# Altium PCB SJ2088POE.PcbDoc (part 5 of 6)
Units mm, origin at the board's own origin, x right, y up, seen from the top; angles counter-clockwise.
Board outline 108 x 50 mm, 6 copper layers (Top Copper, Signal Layer 1, Signal Layer 2, Signal Layer 3, Signal Layer 4, Bottom Copper), stack 1.597 mm thick; 309 components, 234 nets, 1140 pads, 893 vias.
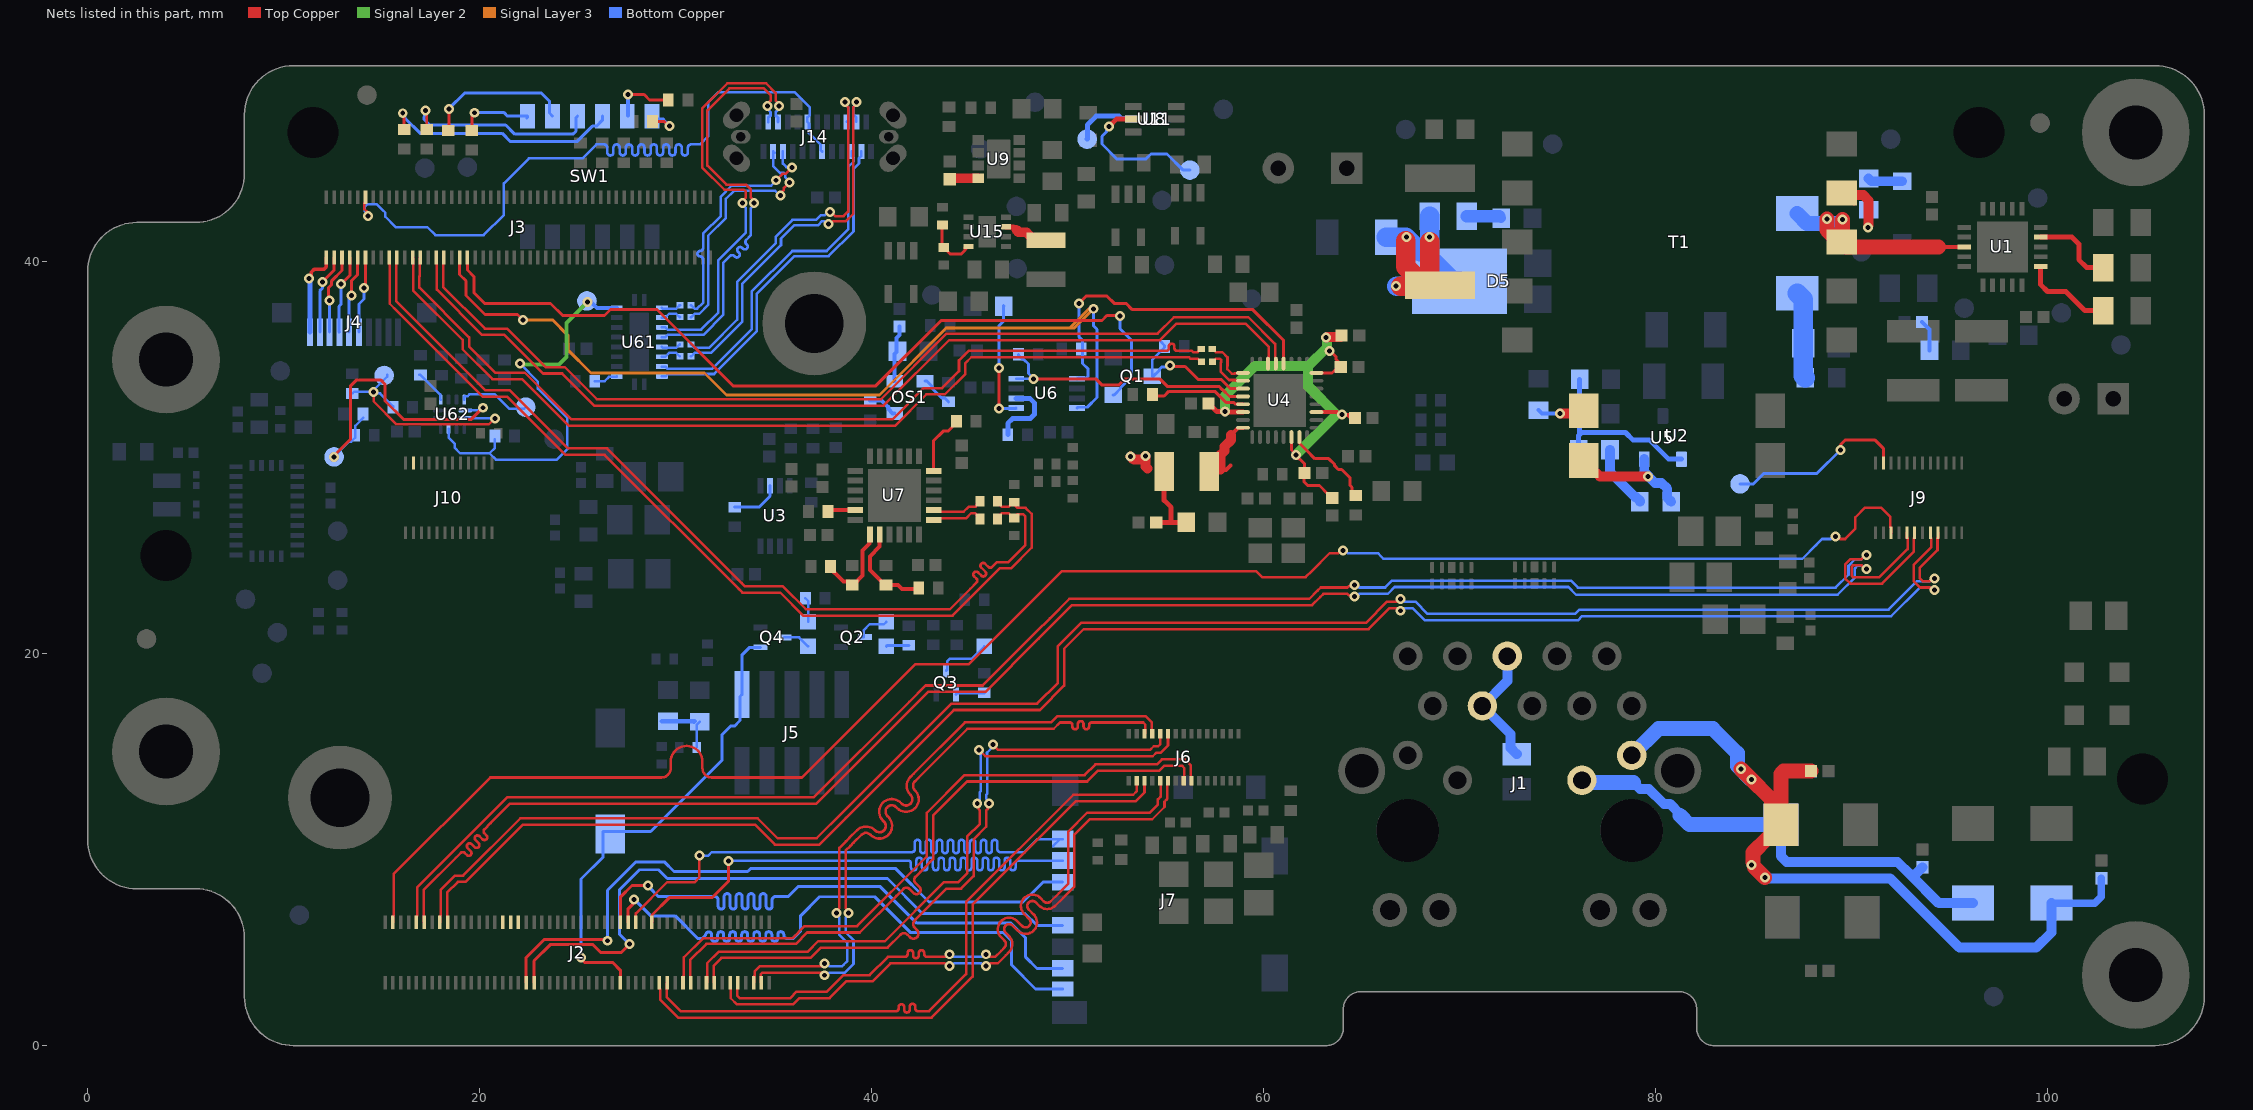
[diagram p9: the nets of this part, all layers, seen from the top]

## Via types
v1: diameter 0.508, hole 0.254, Top Copper to Bottom Copper, tented both sides, 883 vias
v2: diameter 0.406, hole 0.203, Top Copper to Bottom Copper, 10 vias

## Nets (pads, with @x,y where several pads share a name; then routed paths per layer and width w, separated by ;. In a path a pad name is that pad's centre, name@x,y a point inside that pad or via, vN(x,y) a via of type N, cw(c..) or ccw(c..) an arc to the next point about the centre after c; other vN are vias at no path point) (continued)
MIPI_RX3_C_P: J2.98 J9.10 | length 90.8
  Top Copper w0.13: J2.98@15.575,6.29 15.6,6.315 15.6,6.625 15.613,6.638 15.613,8.749 20.543,13.68 29.037,13.68 29.264,13.68 ccw(c29.264,14.164) 29.748,14.164 29.748,14.484 cw(c30.557,14.484) 30.557,15.293 cw(c30.557,14.484) 31.366,14.484 31.366,14.164 ccw(c31.85,14.164) 31.85,13.68 33.763,13.68 36.445,13.68 41.181,18.416 42.216,19.45 44.95,19.45 49.695,24.195 59.63,24.195 59.925,23.9 62.15,23.9 62.475,24.225 63.375,25.125 ; 63.466,25.125 63.375,25.125 ; v1@63.948,25.261 63.812,25.125 63.375,25.125 ; v1(89.175,25.986) 89.277,25.986 89.413,25.85 89.675,25.85 90.2,26.375 90.2,26.959 90.69,27.45 91.51,27.45 91.985,26.974 91.985,26.463 92.023,26.425 J9.10@92.023,26.175
  Bottom Copper w0.13: v1(64.05,25.261) 64.152,25.261 64.288,25.125 65.16,25.125 65.835,25.125 65.979,24.98 66.127,24.832 87.485,24.832 88.192,25.539 88.503,25.85 88.937,25.85 89.073,25.986 v1(89.175,25.986)
MIPI_RX3_D0_N: J2.90 J9.8 | length 90.5
  Top Copper w0.13: J2.90@17.175,6.29 17.15,6.315 17.15,6.625 17.137,6.638 17.137,7.934 18.789,9.585 19.035,9.832 cw(c19.136,9.731) 19.236,9.832 19.34,9.728 ccw(c19.441,9.828) 19.541,9.928 19.389,10.081 cw(c19.49,10.181) 19.59,10.281 19.742,10.129 ccw(c19.843,10.23) 19.943,10.129 ccw(c19.843,10.23) 19.943,10.33 19.791,10.482 cw(c19.891,10.583) 19.992,10.683 20.144,10.531 ccw(c20.244,10.631) 20.345,10.732 20.24,10.836 cw(c20.341,10.936) 20.24,11.037 20.553,11.349 21.554,12.35 37.184,12.35 42.056,17.222 42.885,18.05 45.8,18.05 48.52,20.77 49.228,21.478 50.225,22.475 62.475,22.475 62.89,22.89 63.05,23.05 64.275,23.05 64.339,22.986 64.578,22.986 v1(64.65,22.914) ; v1@90.648,24.364 90.512,24.5 90.301,24.5 90.076,24.5 90,24.424 90,23.976 90.076,23.9 91.425,23.9 92.861,25.336 92.861,25.887 92.823,25.925 J9.8@92.823,26.175
  Bottom Copper w0.13: v1(64.65,22.914) 64.752,22.914 64.888,23.05 65.099,23.05 66.335,23.05 66.685,23.4 75.55,23.4 75.945,23.005 89.286,23.005 90.171,23.89 90.171,24.347 90.316,24.492 90.519,24.492 90.648,24.364 v1@90.75,24.364
  other v1: 90.765,24.324
MIPI_RX3_D0_P: J2.92 J9.7 | length 90.5
  Top Copper w0.13: J2.92@16.775,6.29 16.8,6.315 16.8,6.625 16.813,6.638 16.813,8.068 21.419,12.675 37.05,12.675 41.922,17.547 42.75,18.375 45.666,18.375 48.385,21.095 49.093,21.802 50.091,22.8 62.341,22.8 62.756,23.215 62.915,23.375 63.44,23.375 64.275,23.375 64.339,23.439 64.578,23.439 v1(64.65,23.511) ; v1(90.765,25.023) 90.709,25.023 90.512,24.825 90.166,24.825 89.942,24.825 89.675,24.558 89.675,23.842 89.942,23.575 91.56,23.575 93.185,25.201 93.185,25.887 93.223,25.925 J9.7@93.223,26.175
  Bottom Copper w0.13: v1(64.65,23.511) 64.752,23.511 64.888,23.375 65.234,23.375 66.2,23.375 66.55,23.725 75.685,23.725 76.042,23.368 89.19,23.368 89.846,24.025 89.846,24.482 90.182,24.817 90.504,24.817 90.575,24.889 v1@90.583,24.889
MIPI_RX3_D1_N: J2.84 J9.5 | length 90.6
  Top Copper w0.13: J2.84@18.375,6.29 18.35,6.315 18.35,6.625 18.337,6.638 18.337,7.802 18.886,8.351 19.081,8.351 19.286,8.351 22.209,11.275 34.05,11.275 35.069,10.256 37.331,10.256 38.689,11.614 44.199,17.124 48.584,17.124 49.825,18.365 49.825,20.25 50.825,21.25 65.359,21.25 66.434,22.325 66.85,22.325 66.975,22.2 v1(66.975,22.189) ; J9.5@94.023,26.175 94.023,25.925 94.061,25.887 94.061,25.71 94.061,25.42 93.166,24.526 93.166,23.705 93.496,23.375 93.987,23.375 94.123,23.239 v1(94.225,23.239)
  Bottom Copper w0.13: v1(66.975,22.189) 67.077,22.189 67.213,22.325 67.61,22.325 68.235,21.7 76.033,21.7 76.25,21.917 92.027,21.917 93.484,23.375 93.987,23.375 94.123,23.239 v1(94.225,23.239)
MIPI_RX3_D1_P: J2.86 J9.4 | length 90.6
  Top Copper w0.13: J2.86@17.975,6.29 18,6.315 18,6.625 18.013,6.638 18.013,6.97 18.013,7.937 18.752,8.676 19.151,8.676 22.075,11.6 34.184,11.6 35.203,10.581 37.196,10.581 38.554,11.939 44.064,17.449 48.449,17.449 49.5,18.5 49.5,20.385 50.69,21.575 65.225,21.575 66.3,22.65 66.85,22.65 66.975,22.775 v1(66.975,22.786) ; v1(94.225,23.836) 94.123,23.836 93.987,23.7 93.631,23.7 93.491,23.84 93.491,24.391 94.385,25.285 94.385,25.575 94.385,25.887 94.423,25.925 J9.4@94.423,26.175
  Bottom Copper w0.13: v1(66.975,22.786) 67.077,22.786 67.213,22.65 67.744,22.65 68.369,22.025 75.898,22.025 76.115,22.242 91.892,22.242 93.35,23.7 93.987,23.7 94.123,23.836 v1(94.225,23.836)
MIPI_RX4_C_N: J2.3 J6.28 | length 33.5
  Top Copper w0.13: J2.3@34.375,3.21 34.352,3.233 34.352,3.65 34.428,3.726 37.524,3.726 37.6,3.65 v1(37.6,3.59) ; v1(38.811,6.775) 38.811,6.877 38.675,7.014 38.675,9.95 38.917,10.192 39.077,10.352 39.485,10.76 cw(c39.711,10.535) 39.937,10.76 39.944,10.753 ccw(c40.399,11.208) 40.854,10.753 ; 40.855,10.754 ccw(c40.399,11.208) 40.902,11.61 40.902,11.616 40.803,11.714 cw(c41.028,11.941) 41.254,12.165 ; 41.254,12.165 41.305,12.114 ccw(c41.76,12.569) 42.214,12.113 ; 42.208,13.031 cw(c42.433,13.257) 42.207,13.482 ; 42.208,13.031 42.263,12.976 42.263,12.971 cw(c41.76,12.569) 42.216,12.115 ; 42.208,13.483 42.368,13.643 44.892,16.167 49.292,16.167 49.613,16.488 49.753,16.488 50.102,16.488 cw(c50.102,16.346) 50.244,16.346 50.244,16.286 ccw(c50.385,16.286) 50.385,16.144 ccw(c50.385,16.286) 50.527,16.286 50.527,16.414 cw(c50.669,16.414) 50.669,16.555 cw(c50.669,16.414) 50.811,16.414 50.811,16.286 ccw(c50.953,16.286) 50.953,16.144 ccw(c50.953,16.286) 51.095,16.286 51.095,16.346 cw(c51.236,16.346) 51.236,16.488 51.636,16.488 53.848,16.488 53.961,16.375 53.961,15.95 J6.28@53.923,15.912
  Bottom Copper w0.13: v1(37.6,3.59) 37.702,3.59 37.839,3.726 38.634,3.726 38.901,3.993 39.075,4.167 39.075,5.384 38.675,5.784 38.675,6.536 38.811,6.673 v1(38.811,6.775)
MIPI_RX4_C_P: J2.5 J6.27 | length 33.6
  Top Copper w0.13: J2.5@33.975,3.21 34,3.235 34,3.545 34.028,3.573 34.028,3.785 34.294,4.051 34.445,4.051 37.524,4.051 37.524,4.111 v1(37.6,4.187) ; v1(38.214,6.775) 38.214,6.877 38.35,7.014 38.35,10.084 38.688,10.422 38.848,10.582 ; 38.849,10.583 39.256,10.99 cw(c39.711,10.535) 40.167,10.99 40.173,10.984 ; 40.174,10.983 ccw(c40.399,11.208) 40.624,10.982 40.626,10.984 ccw(c40.399,11.208) 40.624,11.434 40.573,11.486 cw(c41.028,11.941) 41.43,12.443 41.435,12.443 41.534,12.344 ccw(c41.76,12.569) 41.985,12.343 41.986,12.344 ccw(c41.76,12.569) 41.985,12.795 41.979,12.801 cw(c42.433,13.257) 41.979,13.713 42.139,13.873 44.757,16.491 49.157,16.491 49.478,16.812 53.983,16.812 54.285,16.509 54.285,15.95 J6.27@54.323,15.912
  Bottom Copper w0.13: v1(37.6,4.187) 37.702,4.187 37.839,4.051 38.5,4.051 38.576,4.127 38.75,4.301 38.75,5.25 38.35,5.65 38.35,6.536 38.214,6.673 v1(38.214,6.775)
MIPI_RX4_D0_N: J2.9 J6.5 | length 33.6
  Top Copper w0.13: J2.9@33.175,3.21 33.15,3.185 33.15,2.875 33.137,2.862 33.137,2.55 33.262,2.425 35.85,2.425 36.175,2.75 37.716,2.75 38.566,3.6 39.901,3.6 40.826,4.525 41.462,4.525 41.694,4.525 ccw(c41.694,4.666) 41.835,4.666 41.835,4.726 cw(c41.977,4.726) 41.977,4.868 cw(c41.977,4.726) 42.119,4.726 42.119,4.599 ccw(c42.261,4.599) 42.261,4.457 ccw(c42.261,4.599) 42.403,4.599 42.403,4.726 cw(c42.545,4.726) 42.545,4.868 cw(c42.545,4.726) 42.687,4.726 42.687,4.666 ccw(c42.828,4.666) 42.828,4.525 43.177,4.525 43.736,4.525 43.873,4.661 v1(43.975,4.661) ; v1(45.825,4.661) 45.927,4.661 46.064,4.525 46.3,4.525 46.617,4.841 46.777,5.001 ccw(c46.597,5.183) 46.777,5.364 46.608,5.533 cw(c47.017,5.943) 47.374,6.401 47.38,6.401 47.427,6.354 cw(c47.017,5.943) 47.428,6.353 47.677,6.104 ccw(c47.858,6.284) 48.038,6.465 47.789,6.714 cw(c48.199,7.125) 48.555,7.582 48.561,7.582 48.608,7.535 cw(c48.199,7.125) 48.609,7.534 48.778,7.365 ccw(c48.959,7.545) 49.14,7.365 49.547,7.771 ; 49.547,7.772 49.708,7.932 ; 49.788,8.012 49.708,7.932 ; 54.186,11.875 54.607,12.296 54.607,12.567 54.727,12.686 54.761,12.72 54.761,13.474 J6.5@54.723,13.512 ; 54.186,11.882 50.998,11.882 50.025,10.909 50.025,8.25 49.85,8.075 49.708,7.932
  Bottom Copper w0.13: v1(43.975,4.661) 44.077,4.661 44.214,4.525 45.586,4.525 45.723,4.661 v1(45.825,4.661)
MIPI_RX4_D0_P: J2.11 J6.6 | length 33.8
  Top Copper w0.13: J2.11@32.775,3.21 32.8,3.185 32.8,2.875 32.813,2.862 32.813,2.416 33.128,2.1 35.984,2.1 36.309,2.425 37.85,2.425 38.7,3.275 40.036,3.275 40.961,4.2 43.736,4.2 43.873,4.064 v1(43.975,4.064) ; v1(45.825,4.064) 45.927,4.064 46.064,4.2 46.434,4.2 46.846,4.612 47.006,4.772 ; 47.007,4.773 ccw(c46.597,5.183) 47.054,5.539 47.054,5.545 47.007,5.592 ccw(c46.597,5.183) 47.007,5.593 46.837,5.762 cw(c47.017,5.943) 47.199,6.123 47.448,5.874 ccw(c47.858,6.284) 48.316,6.64 48.316,6.646 48.269,6.693 ccw(c47.858,6.284) 48.268,6.694 48.019,6.943 cw(c48.199,7.125) 48.38,7.304 ; 48.38,7.304 48.549,7.135 ccw(c48.959,7.545) 49.37,7.135 49.776,7.542 49.937,7.703 ; 49.857,7.623 49.937,7.703 ; 50.017,7.783 49.937,7.703 ; J6.6@55.123,13.512 55.085,13.474 55.085,12.586 55.051,12.552 55.051,12.548 54.945,12.442 54.945,12.191 54.932,12.178 54.932,12.162 54.32,11.55 54.273,11.55 54.266,11.557 51.132,11.557 50.35,10.775 50.35,8.115 49.937,7.703
  Bottom Copper w0.13: v1(43.975,4.064) 44.077,4.064 44.214,4.2 45.586,4.2 45.723,4.064 v1(45.825,4.064)
MIPI_RX4_D1_N: J2.15 J6.26 | length 33.5
  Top Copper w0.13: J2.15@31.975,3.21 31.95,3.235 31.95,3.545 31.937,3.558 31.937,4.072 32.337,4.472 36.881,4.472 37.409,5 40.811,5 41.469,5.658 cw(c41.649,5.477) 41.83,5.658 41.953,5.535 ccw(c42.134,5.715) 42.314,5.535 ccw(c42.134,5.715) 42.314,5.896 42.191,6.019 cw(c42.372,6.2) 42.191,6.38 43.825,8.014 44.564,8.014 45.2,8.65 45.2,10.525 45.848,11.173 45.848,11.863 45.85,11.866 45.85,12 45.914,12.064 45.914,12.278 v1(45.986,12.35) ; v1@46.286,15.259 46.454,15.091 51.176,15.091 54.211,15.091 54.395,15.275 54.625,15.275 54.723,15.373 J6.26@54.723,15.912
  Bottom Copper w0.13: 45.876,14.887 45.876,14.937 45.899,14.961 ; v1(45.986,12.35) 45.986,12.452 45.85,12.589 45.85,12.799 45.899,12.848 45.899,14.961 ; v1(46.198,15.362) 46.198,15.259 45.899,14.961
MIPI_RX4_D1_P: J2.17 J6.25 | length 33.5
  Top Copper w0.13: J2.17@31.575,3.21 31.6,3.235 31.6,3.545 31.613,3.558 31.613,4.206 32.203,4.796 36.746,4.796 37.275,5.325 40.676,5.325 43.69,8.338 44.429,8.338 44.875,8.784 44.875,10.659 45.523,11.307 45.523,12.002 ; v1(45.389,12.35) 45.462,12.278 45.462,12.064 45.523,12.002 ; v1(45.479,15.094) 45.807,14.766 51.042,14.766 54.345,14.766 54.53,14.95 54.759,14.95 55.123,15.314 J6.25@55.123,15.912 ; 45.525,12 45.523,12.002
  Bottom Copper w0.13: v1(45.389,12.35) 45.389,12.452 45.525,12.589 45.525,12.933 45.575,12.982 45.575,14.829 45.551,14.852 45.551,15.021 v1(45.479,15.094)
MIPI_RX5_D0_N: J2.21 J6.8 | length 33.6
  Top Copper w0.13: J2.21@30.775,3.21 30.75,3.235 30.75,3.545 30.737,3.558 30.737,4.364 31.564,5.19 36.132,5.19 36.712,5.771 39.394,5.771 41.266,7.642 41.619,7.995 cw(c41.772,7.842) 41.926,7.995 42.131,7.79 ccw(c42.285,7.944) 42.438,7.79 ccw(c42.285,7.944) 42.438,8.098 42.233,8.303 cw(c42.387,8.456) 42.233,8.61 42.487,8.863 43.137,9.514 43.137,11.738 44.875,13.475 51,13.475 51.553,14.028 54.687,14.028 54.943,14.284 55.83,14.284 55.961,14.153 55.961,13.55 J6.8@55.923,13.512
MIPI_RX5_D0_P: J2.23 J6.9 | length 33.6
  Top Copper w0.13: J2.23@30.375,3.21 30.4,3.235 30.4,3.545 30.413,3.558 30.413,4.498 31.39,5.475 35.958,5.475 36.578,6.095 39.26,6.095 42.813,9.648 42.813,11.872 44.741,13.8 50.866,13.8 51.419,14.353 54.552,14.353 54.808,14.609 55.964,14.609 56.285,14.288 56.285,13.55 J6.9@56.323,13.512
MIPI_RX5_D1_N: J2.27 J6.2 | length 33.5
  Top Copper w0.13: J2.27@29.575,3.21 29.55,3.185 29.55,2.875 29.537,2.862 29.537,2.665 29.537,2.476 30.257,1.757 40.782,1.757 41.236,1.757 ccw(c41.236,1.898) 41.377,1.898 41.377,1.969 cw(c41.519,1.969) 41.519,2.11 cw(c41.519,1.969) 41.661,1.969 41.661,1.831 ccw(c41.803,1.831) 41.803,1.689 ccw(c41.803,1.831) 41.945,1.831 41.945,1.99 cw(c42.087,1.99) 42.087,2.132 cw(c42.087,1.99) 42.228,1.99 42.228,1.898 ccw(c42.37,1.898) 42.37,1.757 42.719,1.757 42.932,1.757 44.825,3.65 44.825,7.334 50.291,12.8 53.35,12.8 53.523,12.973 J6.2@53.523,13.512
MIPI_RX5_D1_P: J2.29 J6.3 | length 33.5
  Top Copper w0.13: J2.29@29.175,3.21 29.2,3.185 29.2,2.875 29.213,2.862 29.213,2.531 29.213,2.342 29.479,2.075 30.027,1.527 30.122,1.432 43.066,1.432 45.15,3.516 45.15,7.2 50.425,12.475 53.484,12.475 53.923,12.914 J6.3@53.923,13.512
MODULE_nRST: B1.2 J2.39 J5.1 Q4.1 | length 24.4
  Top Copper w0.152: v1(25.175,4.5) 25.175,4.425 25.35,4.25 26.775,4.25 27.175,3.85 J2.39@27.175,3.21
  Bottom Copper w0.152: v1(25.175,4.5) 25.175,8.504 26.3,9.629 26.3,10.925 28.725,10.925 32.375,14.575 32.375,15.875 32.8,16.3 33,16.3 33.286,16.586 33.286,17.816 J5.1@33.395,17.925 33.395,19.945 33.775,20.325 Q4.1@34.33,20.325
NetC4_1: C4.1 D4.1 R4.1 | length 4.5
  Bottom Copper w1: D4.1@87.223,38.393 87.543,38.073 C4.1@87.543,35.832 87.543,34.182 R4.1@87.643,34.082
NetC5_1: C5.1 R5.1 | length 1.8
  Bottom Copper w0.508: C5.1@72.019,42.325 C5.1@72.118,42.226
  Bottom Copper w0.635: R5.1@70.373,42.325 C5.1@72.019,42.325
NetC6_2: C6.2 D5.1 L1.1 R5.2 | length 16
  Top Copper w1: v1@66.997,38.75 L1.1@68.012,38.75 ; v1@67.25,41.055 67.25,39.752 L1.1@68.012,38.99 ; v1@68.473,41.02 68.473,38.99 L1.1@68.012,38.99 ; L1.1@69,38.79 68.212,38.79 L1.1@68.012,38.99
  Bottom Copper w1: C6.2@66.25,41.25 67.25,41.25 D5.1@68,40.5 ; v1@66.806,38.75 68.75,38.75 69.25,39.25 D5.1@69.403,39.25 ; R5.2@68.473,42.325 v1(68.473,41.253) 68.473,40.18 D5.1@69.403,39.25 ; D5.1@70,39 69.653,39 D5.1@69.403,39.25
  other v1: 66.75,38.75 67.3,41.25
NetC23_1: C23.1 U2.2 U5.2 | length 7.3
  Top Copper w0.5: U2.2@76.848,29.345 U2.2@76.338,29.855 76.338,29.725 76.848,29.215 76.978,29.215 77.156,29.037 v1(79.614,29.037)
  Bottom Copper w0.5: U5.2@79.425,29.925 79.425,29.266 79.98,28.711 80.307,28.711 80.6,28.418 80.6,27.95 C23.1@80.8,27.75
NetC23_2: C23.2 R17.2 | length 3.3
  Bottom Copper w0.5: R17.2@77.675,30.4 77.675,29.275 78.95,28 79,28 79.2,27.8 C23.2@79.2,27.75
NetC24_2: C24.2 R18.1 | length 1.6
  Bottom Copper w0.2: C24.2@93.6,36.925 93.975,36.55 93.975,36.3 R18.1@93.975,35.475
NetC50_2: C50.2 J1.4 J1.5 | length 6.3
  Bottom Copper w0.508: J1.5@72.435,19.871 72.435,18.601 J1.4@71.165,17.331 72.592,15.904 72.592,15.196 72.913,14.875 C50.2@72.925,14.875
NetC58_2: C58.2 U9.8 | length 1.4
  Top Copper w0.5: C58.2@43.985,44.258 U9.8@45.435,44.258
NetD2_2: D2.2 R3.1 | length 1.8
  Bottom Copper w0.5: R3.1@90.87,44.242 91.01,44.102 D2.2@92.58,44.102
NetD3_1: D3.1 Q2.3 | length 2
  Bottom Copper w0.127: Q2.3@39.32,20.825 Q2.3@39.605,20.825 ; Q2.3@39.605,20.841 39.605,21.205 39.9,21.5 40.625,21.5 D3.1@40.75,21.625
NetD6_1: D6.1 Q3.3 | length 2.7
  Bottom Copper w0.127: Q3.3@43.8,19.135 43.853,19.188 43.853,19.603 44,19.75 45.125,19.75 D6.1@45.75,20.375
NetD7_1: D7.1 Q4.3 | length 1.4
  Bottom Copper w0.127: Q4.3@35.55,20.825 36.3,20.825 D7.1@36.75,20.375 D7.1@36.775,20.375
NetL3_1: L3.1 U15.7 | length 2.3
  Top Copper w0.254: U15.7@46.85,41.775 46.863,41.762 47.238,41.762 47.375,41.625
  Top Copper w0.5: 47.381,41.631 47.452,41.561 47.452,41.543 47.494,41.5 47.9,41.5 48.3,41.1 L3.1@48.9,41.1
NetQ3_1: Q3.1 R54.1 | length 1.5
  Bottom Copper w0.152: Q3.1@44.3,17.915 44.3,17.926 44.374,18 R54.1@45.75,18
NetR2_1: R2.1 SW1.12 | length 2.9
  Top Copper w0.152: R2.1@28.82,47.15 29.418,47.15 29.645,46.923 v1(29.686,46.923)
  Bottom Copper w0.102: SW1.12@28.8,47.425 28.942,47.283 29.273,47.283 29.313,47.243 29.633,46.923 v1(29.686,46.923)
  Bottom Copper w0.203: SW1.12@28.942,47.283 28.982,47.243 29.313,47.243 29.366,47.243 v1(29.686,46.923)
NetR3_2: R3.2 T1.2 | length 4.8
  Top Copper w0.203: T1.2@90.132,42.967 T1.2@89.809,43.289 ; v1@90.873,41.794 v1@90.873,41.849 ; T1.2@89.809,43.289 89.704,43.395 89.598,43.5 T1.2@89.5,43.5 89.605,43.395 89.711,43.289 T1.2@89.809,43.289
  Top Copper w0.305: T1.2@89.605,43.395 T1.2@89.704,43.395
  Top Copper w0.508: T1.2@89.704,43.395 90.605,43.395 90.873,43.127 v1@90.873,41.849
  Bottom Copper w0.203: R3.2@90.87,42.642 90.873,42.639 v1@90.873,41.794
  other v1: 90.85,41.75
NetR6_1: R6.1 U3.6 | length 2.6
  Bottom Copper w0.152: R6.1@33.01,27.473 34.254,27.473 34.816,28.036 34.816,28.568 U3.6@34.823,28.575
NetR7_1: R7.1 SW1.10 | length 12.1
  Top Copper w0.152: R7.1@16.15,46.75 v1@16.15,47.404
  Bottom Copper w0.152: v1@16.075,47.437 16.116,47.437 16.195,47.359 16.195,47.317 16.962,46.55 21.15,46.55 21.575,46.125 24.96,46.125 25.748,46.913 25.956,46.913 26.26,47.217 SW1.10@26.26,47.425
  other v1: 16.075,47.575
NetR9_1: R9.1 SW1.11 | length 3.3
  Top Copper w0.152: v1(27.575,48.525) 27.589,48.525 28.392,48.525 28.67,48.247 R9.1@29.624,48.247
  Bottom Copper w0.102: SW1.11@27.53,47.425 SW1.11@27.575,47.47
  Bottom Copper w0.203: SW1.11@27.575,47.47 v1(27.575,48.525)
NetR14_1: R14.1 R15.2 R17.1 U5.1 | length 9.4
  Bottom Copper w0.254: R17.1@76.075,30.4 76.075,31.132 76.125,31.182 ; R14.1@76.125,34 76.125,31.182 ; U5.1@81.325,29.925 80.666,29.925 79.7,30.89 78.854,30.89 78.463,31.281 76.224,31.281 76.125,31.182
NetR16_1: R16.1 SW1.7 | length 3.9
  Top Copper w0.152: R16.1@19.6,46.7 19.6,47.379 19.725,47.504 v1(19.725,47.6)
  Bottom Copper w0.13: SW1.7@22.4,47.325 22.45,47.375 SW1.7@22.45,47.425
  Bottom Copper w0.152: v1@19.725,47.65 v1(19.725,47.6) 21.25,47.6 21.425,47.425 SW1.7@22.45,47.425
NetR24_1: R24.1 U2.1 | length 2.5
  Top Copper w0.203: U2.1@76.142,32.251 76.168,32.225 U2.1@76.338,32.395
  Top Copper w0.508: v1(75.136,32.251) U2.1@76.142,32.251
  Bottom Copper w0.203: R24.1@74.025,32.425 74.199,32.251 v1(75.136,32.251) v1@75.187,32.2
NetR48_2: R48.2 U4.31 | length 4.3
  Top Copper w0.152: U4.31@61.839,30.723 62.163,30.399 62.612,29.95 63.322,29.95 63.625,29.647 63.625,29.587 63.812,29.4 63.984,29.4 64.4,28.984 64.4,28.6 64.511,28.489 64.511,28.264 R48.2@64.7,28.075
NetR50_1: R50.1 U6.6 | length 3.7
  Bottom Copper w0.254: R50.1@46.95,31.175 46.95,31.75 47.2,32 48.1,32 48.3,32.2 48.3,32.8 48.075,33.025 U6.6@47.375,33.025
NetR51_1: R51.1 R52.2 U15.4 | length 3.2
  Top Copper w0.152: R52.2@43.614,41.876 43.6,41.862 43.6,40.85 R51.1@43.8,40.65 ; R51.1@43.675,40.725 43.725,40.725 R51.1@43.8,40.65 ; R51.1@43.8,40.65 43.874,40.576 43.874,40.526 44.019,40.381 44.556,40.381 44.776,40.601 U15.4@44.776,40.645 ; U15.4@44.776,40.645 44.82,40.645 U15.4@44.95,40.775 44.84,40.775 44.776,40.711 U15.4@44.776,40.645
NetR60_1: R60.1 SW1.9 | length 10.4
  Top Copper w0.152: v1(17.225,47.725) 17.225,47.629 17.3,47.554 R60.1@17.3,46.75
  Bottom Copper w0.152: v1(17.225,47.725) 17.174,47.674 17.174,47.399 17.163,47.388 17.163,47.262 17.45,46.975 21.325,46.975 21.795,46.505 24.755,46.505 24.911,46.661 24.911,47.346 SW1.9@24.99,47.425
NetR61_1: R61.1 SW1.8 | length 7.6
  Top Copper w0.152: R61.1@18.4,46.7 18.425,46.725 v1(18.425,47.8)
  Bottom Copper w0.152: v1(18.425,47.8) 19.225,48.6 23.15,48.6 23.561,48.189 23.561,47.584 SW1.8@23.72,47.425
NetR75_1: R75.1 R77.1 R80.2 | length 3.1
  Bottom Copper w0.127: R80.2@31.081,15.218 31.081,16.379 R77.1@31.236,16.533
  Bottom Copper w0.254: R75.1@29.3,16.55 30.95,16.55 R77.1@30.925,16.525
NetR185_1: R185.1 U61.2 | length 1.2
  Bottom Copper w0.127: R185.1@25.875,33.9 26.375,33.9 26.599,34.124 26.975,34.124 U61.2@27,34.148
NetR186_1: R186.1 TP41.1 U61.9 U62.11 | length 21
  Signal Layer 2 w0.203: v1(22.05,34.8) 22.1,34.75 24.05,34.75 24.425,35.125 24.425,36.875 v1(25.5,37.95)
  Bottom Copper w0.127: U62.11@18.415,31.465 18.415,31.024 18.718,30.721 18.718,30.51 19.003,30.225 20.5,30.225 ; R186.1@20.776,30.943 20.776,30.501 20.5,30.225 ; v1(22.05,34.8) 22.975,33.875 22.975,33.525 24.465,32.035 24.465,30.427 23.938,29.9 20.825,29.9 20.5,30.225
  Bottom Copper w0.203: TP41.1@25.475,38 25.641,38 25.992,37.648 U61.9@27,37.648
NetR213_1: R213.1 RZ28.1 TP44.1 U62.7 | length 16.1
  Top Copper w0.152: v1(12.571,30.03) 12.571,30.096 13.4,30.925 13.4,33.65 13.725,33.975 14.95,33.975 15.175,33.75 15.175,32.894 16.133,31.936 19.552,31.936 v1(20.162,32.547)
  Bottom Copper w0.127: v1(12.571,30.03) 12.571,30.046 13.338,30.813 13.438,30.813 13.65,31.025 13.65,31.075 13.65,31.625 RZ28.1@14.064,32.04 ; U62.7@19.265,32.415 19.927,32.415 20.059,32.547 v1(20.162,32.547)
NetR214_1: R214.1 RZ29.1 TP43.1 U62.8 | length 12.4
  Top Copper w0.127: v1(14.594,33.355) 14.594,32.866 15.765,31.695 20.461,31.695 v1(20.773,32.007)
  Bottom Copper w0.127: RZ29.1@13.505,33.28 13.59,33.366 14.583,33.366 v1(14.594,33.355) ; TP43.1@15.275,34.225 15.275,34.127 14.594,33.446 v1(14.594,33.355) ; R214.1@15.579,32.572 15.579,32.622 14.918,33.282 14.667,33.282 v1(14.594,33.355) ; U62.8@19.265,32.015 20.765,32.015 v1(20.773,32.007)